# Altium PCB GridSeed_Rev03.PcbDoc (part 3 of 5)
Units mm, origin at the board's own origin, x right, y up, seen from the top; angles counter-clockwise.
Board outline 91 x 132.3 mm, 4 copper layers (L1, L2, L3, L4), stack 1.577 mm thick; 522 components, 141 nets, 2177 pads, 2361 vias.
Unrouted connection lines stored in the file: 44.
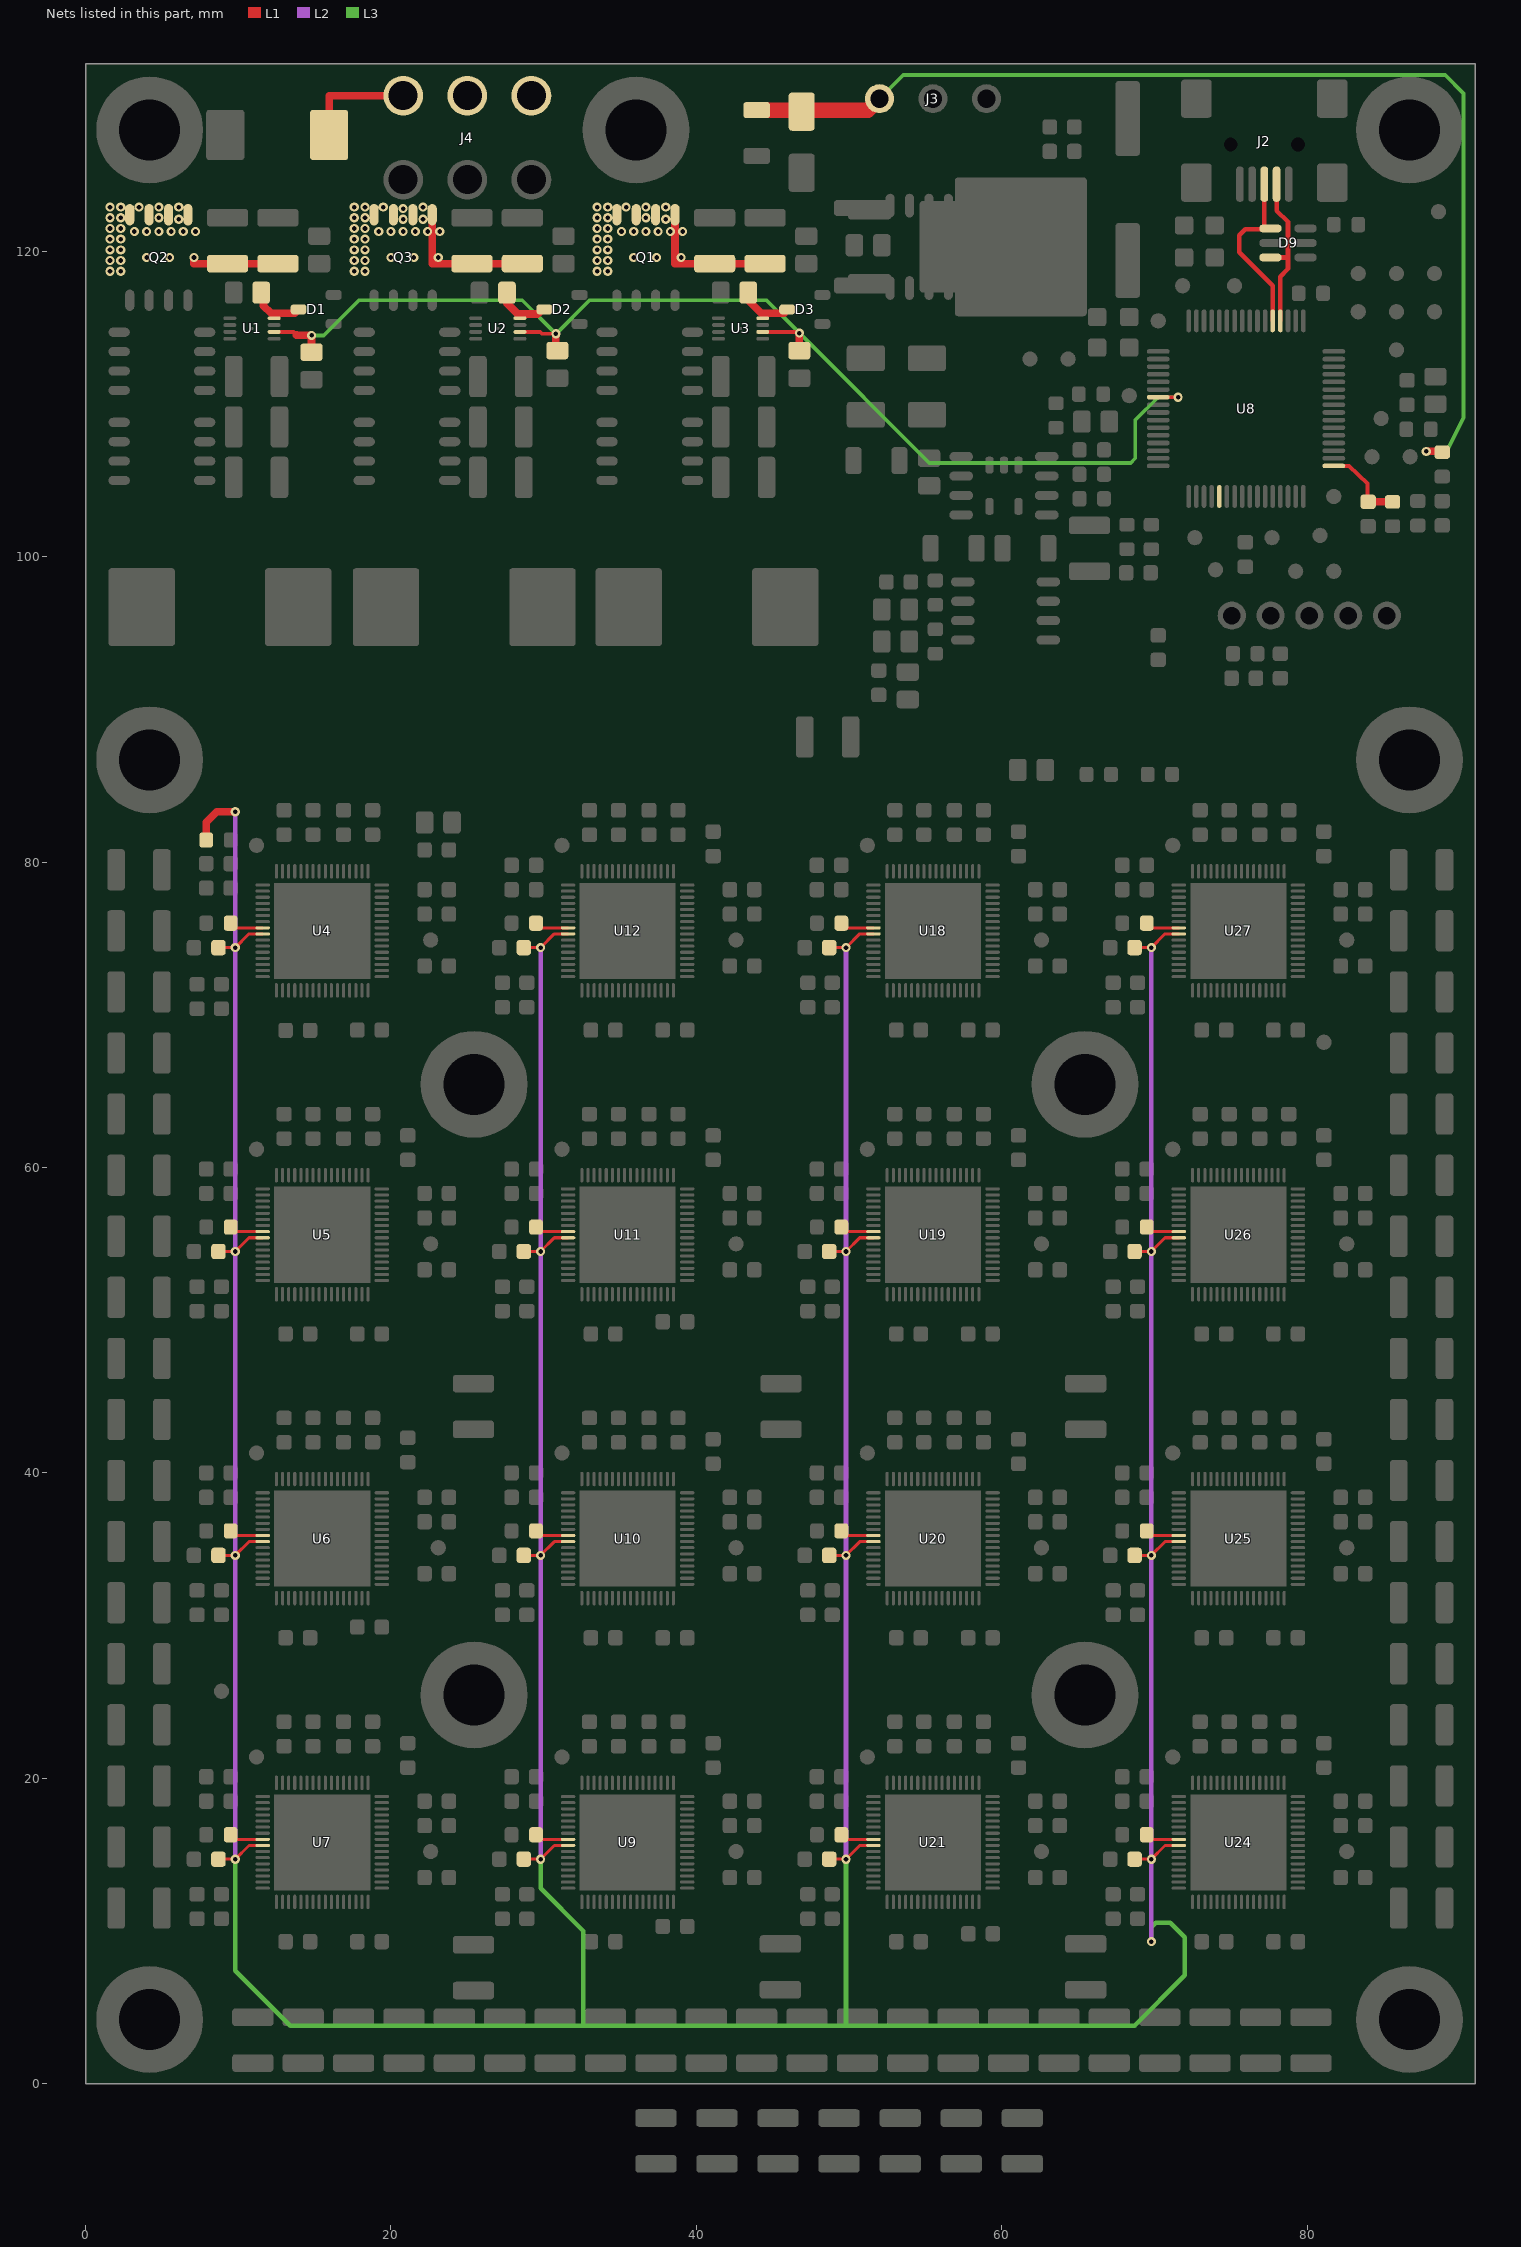
[diagram p5: the nets of this part, all layers, seen from the top]

## Via types
v1: diameter 0.6/0.6/0.6/0.6 (per signal layer), hole 0.3, L1 to L4, 2361 vias

## Nets (pads, with @x,y where several pads share a name; then routed paths per layer and width w, separated by ;. In a path a pad name is that pad's centre, name@x,y a point inside that pad or via, vN(x,y) a via of type N, cw(c..) or ccw(c..) an arc to the next point about the centre after c; other vN are vias at no path point) (continued)
12V: C10.2 C11.2 C15.2 C16.2 C20.1 C21.1 D11.2 D12.1 J3.3 J4.1 J4.2 J4.3 Q1.5 Q1.6 Q1.7 Q1.8 Q2.5 Q2.6 Q2.7 Q2.8 Q3.5 Q3.6 Q3.7 Q3.8 R23.1 R47.2 | length 106.1
  L1 w0.5: v1(7.1,119.6) 7.1,119.2 C10.2@9.3,119.2 C11.2@12.6,119.2 ; D12.1@15.95,127.625 15.95,130.2 J4.1@20.8,130.2 ; Q3.5@22.705,122.4 22.705,120.5 22.705,119.2 C15.2@25.3,119.2 C16.2@28.6,119.2 ; 38.605,120.3 Q1.5@38.605,122.4 ; 38.605,120.3 38.605,119.2 C20.1@41.2,119.2 C21.1@44.5,119.2 ; v1(87.8,106.9) 88.84,106.9 R23.1@88.85,106.85
  L1 w1: R47.2@43.95,129.25 D11.2@47.55,129.25 ; D11.2@46.9,129.15 D11.2@47.55,129.25 ; J3.3@52,130 51.25,129.25 D11.2@47.55,129.25
  L3 w0.25: J3.3@52,130 53.55,131.55 89.05,131.55 90.25,130.35 90.25,109.15 89.15,106.9 v1(87.8,106.9)
  other v1: 1.6,118.7 2.3,118.7 17.6,118.7 18.3,118.7 33.5,118.7 34.2,118.7 1.6,119.4 2.3,119.4 17.6,119.4 18.3,119.4 33.5,119.4 34.2,119.4 4,119.6 5.5,119.6 20,119.6 21.5,119.6 23.1,119.6 35.9,119.6 37.4,119.6 39,119.6 1.6,120.1 2.3,120.1 17.6,120.1 18.3,120.1 33.5,120.1 34.2,120.1 1.6,120.8 2.3,120.8 17.6,120.8 18.3,120.8 33.5,120.8 34.2,120.8 3.2,121.3 4,121.3 4.8,121.3 5.6,121.3 6.4,121.3 7.2,121.3 19.2,121.3 20,121.3 20.8,121.3 21.6,121.3 22.4,121.3 23.2,121.3 35.1,121.3 35.9,121.3 36.7,121.3 37.5,121.3 38.3,121.3 39.1,121.3 1.6,121.5 2.3,121.5 17.6,121.5 18.3,121.5 33.5,121.5 34.2,121.5 6.1,122.1 20.8,122.1 22.1,122.1 38,122.1 1.6,122.2 2.3,122.2 4.8,122.2 17.6,122.2 18.3,122.2 33.5,122.2 34.2,122.2 36.7,122.2 20.8,122.8 1.6,122.9 2.3,122.9 3.5,122.9 4.8,122.9 6.1,122.9 17.6,122.9 18.3,122.9 19.5,122.9 22.1,122.9 33.5,122.9 34.2,122.9 35.4,122.9 36.7,122.9 38,122.9
ASIC_RESET_MCU: C27.2 C32.2 C37.2 C42.2 C120.2 C125.2 C130.2 C135.2 C229.2 C234.2 C239.2 C244.2 C326.2 C331.2 C336.2 C341.2 R5.1 U4.57 U5.57 U6.57 U7.57 U8.5 U9.57 U10.57 U11.57 U12.57 U18.57 U19.57 U20.57 U21.57 U24.57 U25.57 U26.57 U27.57 | length 410.3
  L1 w0.2: C42.2@8.7,14.7 v1(9.8,14.7) 10.7,15.6 U7.57@11.6,15.6 ; C37.2@8.7,34.6 v1(9.8,34.6) 10.7,35.5 U6.57@11.6,35.5 ; C32.2@8.7,54.5 v1(9.8,54.5) 10.7,55.4 U5.57@11.6,55.4 ; C27.2@8.7,74.4 v1(9.8,74.4) 10.7,75.3 U4.57@11.6,75.3 ; C120.2@28.7,14.7 v1(29.8,14.7) 30.7,15.6 U9.57@31.6,15.6 ; C125.2@28.7,34.6 v1(29.8,34.6) 30.7,35.5 U10.57@31.6,35.5 ; C130.2@28.7,54.5 v1(29.8,54.5) 30.7,55.4 U11.57@31.6,55.4 ; C135.2@28.7,74.4 v1(29.8,74.4) 30.7,75.3 U12.57@31.6,75.3 ; C244.2@48.7,14.7 v1(49.8,14.7) 50.7,15.6 U21.57@51.6,15.6 ; C239.2@48.7,34.6 v1(49.8,34.6) 50.7,35.5 U20.57@51.6,35.5 ; C234.2@48.7,54.5 v1(49.8,54.5) 50.7,55.4 U19.57@51.6,55.4 ; C229.2@48.7,74.4 v1(49.8,74.4) 50.7,75.3 U18.57@51.6,75.3 ; C326.2@68.7,14.7 v1(69.8,14.7) 70.7,15.6 U24.57@71.6,15.6 ; C331.2@68.7,34.6 v1(69.8,34.6) 70.7,35.5 U25.57@71.6,35.5 ; C336.2@68.7,54.5 v1(69.8,54.5) 70.7,55.4 U26.57@71.6,55.4 ; C341.2@68.7,74.4 v1(69.8,74.4) 70.7,75.3 U27.57@71.6,75.3
  L1 w0.5: R5.1@7.9,81.45 7.9,82.6 8.6,83.3 v1(9.8,83.3)
  L2 w0.3: v1(9.8,14.7) v1(9.8,34.6) v1(9.8,54.5) v1(9.8,74.4) v1(9.8,83.3) ; v1(29.8,14.7) v1(29.8,34.6) v1(29.8,54.5) v1(29.8,74.4) ; v1(49.8,14.7) v1(49.8,34.6) v1(49.8,54.5) v1(49.8,74.4) ; v1(69.8,9.3) v1(69.8,14.7) v1(69.8,34.6) v1(69.8,54.5) v1(69.8,74.4)
  L3 w0.3: v1(9.8,14.7) 9.8,7.4 13.4,3.8 32.6,3.8 ; v1(29.8,14.7) 29.8,12.8 32.6,10 32.6,3.8 ; v1(49.8,14.7) 49.8,3.8 ; v1(69.8,9.3) 69.8,10.25 70.1,10.55 71.05,10.55 72,9.6 72,7.1 68.7,3.8 49.8,3.8 ; 32.6,3.8 49.8,3.8
BOOT1: C7.1 D1.3 U1.8 | length 3.8
  L1 w0.25: U1.8@12.35,115.625 12.35,115.95
  L1 w0.5: C7.1@11.5,117.3 11.65,117.15 11.65,116.45 12.15,115.95 12.35,115.95 13.7,115.95 D1.3@13.95,116.2
BOOT2: C8.1 D2.3 U2.8 | length 3.8
  L1 w0.25: U2.8@28.45,115.625 28.45,115.9
  L1 w0.5: C8.1@27.6,117.3 27.6,116.6 28.3,115.9 28.45,115.9 29.6,115.9 29.9,116.2 D2.3@30.05,116.2
BOOT3: C9.1 D3.3 U3.8 | length 3.9
  L1 w0.25: U3.8@44.35,115.625 44.35,115.925 44.375,115.95
  L1 w0.5: C9.1@43.4,117.3 43.4,116.8 44.25,115.95 44.375,115.95 45.75,115.95 45.75,116 D3.3@45.95,116.2
CORE_CLKOUT_1: R1.2 U4.56 | length 2.2
  L1 w0.2: R1.2@9.5,76 9.8,75.7 U4.56@11.6,75.7
CORE_CLKOUT_2: R2.2 U5.56 | length 2.2
  L1 w0.2: R2.2@9.5,56.1 9.8,55.8 U5.56@11.6,55.8
CORE_CLKOUT_3: R3.2 U6.56 | length 2.2
  L1 w0.2: R3.2@9.5,36.2 9.8,35.9 U6.56@11.6,35.9
CORE_CLKOUT_4: R4.2 U7.56 | length 2.2
  L1 w0.2: R4.2@9.5,16.3 9.8,16 U7.56@11.6,16
CORE_CLKOUT_5: R17.1 U9.56 | length 2.2
  L1 w0.2: R17.1@29.5,16.3 29.8,16 U9.56@31.6,16
CORE_CLKOUT_6: R18.2 U10.56 | length 2.2
  L1 w0.2: R18.2@29.5,36.2 29.8,35.9 U10.56@31.6,35.9
CORE_CLKOUT_7: R19.2 U11.56 | length 2.2
  L1 w0.2: R19.2@29.5,56.1 29.8,55.8 U11.56@31.6,55.8
CORE_CLKOUT_8: R20.2 U12.56 | length 2.2
  L1 w0.2: R20.2@29.5,76 29.8,75.7 U12.56@31.6,75.7
CORE_CLKOUT_9: R43.2 U18.56 | length 2.2
  L1 w0.2: R43.2@49.5,76 49.8,75.7 U18.56@51.6,75.7
CORE_CLKOUT_10: R44.2 U19.56 | length 2.2
  L1 w0.2: R44.2@49.5,56.1 49.8,55.8 U19.56@51.6,55.8
CORE_CLKOUT_11: R45.2 U20.56 | length 2.2
  L1 w0.2: R45.2@49.5,36.2 49.8,35.9 U20.56@51.6,35.9
CORE_CLKOUT_12: R46.2 U21.56 | length 2.2
  L1 w0.2: R46.2@49.5,16.3 49.8,16 U21.56@51.6,16
CORE_CLKOUT_13: R64.2 U24.56 | length 2.2
  L1 w0.2: R64.2@69.5,16.3 69.8,16 U24.56@71.6,16
CORE_CLKOUT_14: R65.2 U25.56 | length 2.2
  L1 w0.2: R65.2@69.5,36.2 69.8,35.9 U25.56@71.6,35.9
CORE_CLKOUT_15: R66.2 U26.56 | length 2.2
  L1 w0.2: R66.2@69.5,56.1 69.8,55.8 U26.56@71.6,55.8
CORE_CLKOUT_16: R67.2 U27.56 | length 2.2
  L1 w0.2: R67.2@69.5,76 69.8,75.7 U27.56@71.6,75.7
D+: D9.1 J2.3 U8.37 | length 11.7
  L1 w0.3: J2.3@77.2,124.4 D9.1@77.2,121.45 ; D9.1@77.6,121.5 D9.1@77.2,121.45 ; U8.37@77.75,115.45 77.75,117.75 75.55,119.95 75.55,121.05 75.95,121.45 D9.1@77.2,121.45
D-: D9.3 J2.2 U8.36 | length 10.6
  L1 w0.3: D9.3@77.6,119.6 78.75,119.6 ; J2.2@78,124.4 78,122.65 78.75,121.95 78.75,119.6 ; U8.36@78.25,115.45 78.25,118.35 78.75,118.85 78.75,119.6
DRVLOGIC: C4.1 C5.1 C6.1 U1.6 U2.6 U3.6 U8.55 | length 79.3
  L1 w0.25: U1.6@12.35,114.725 13.619,114.725 13.818,114.526 ; U2.6@28.45,114.725 29.781,114.725 29.906,114.6 v1(30.8,114.6) ; U3.6@44.35,114.725 46.675,114.725 v1(46.75,114.65) ; U8.55@70.25,110.45 v1(71.55,110.45)
  L1 w0.5: 13.818,114.526 13.845,114.5 v1(14.8,114.5) C4.1@14.8,113.4 ; v1(30.8,114.6) 30.8,113.5 C5.1@30.9,113.5 ; C6.1@46.75,113.5 v1(46.75,114.65)
  L3 w0.25: v1(14.8,114.5) 15.6,114.5 17.9,116.8 28.6,116.8 v1(30.8,114.6) 33,116.8 44.6,116.8 v1(46.75,114.65) 55.25,106.15 68.45,106.15 68.75,106.45 68.75,108.95 70.25,110.45 v1(71.55,110.45)
FB: C166.1 R26.1 U8.17 | length 5.5
  L1 w0.25: U8.17@81.75,105.95 82.75,105.95 83.95,104.8 83.95,103.65 C166.1@84,103.6
  L1 w0.5: C166.1@84,103.6 R26.1@85.6,103.6